# Altium PCB BSPD+SDC.PcbDoc (part 1 of 2) (continued)
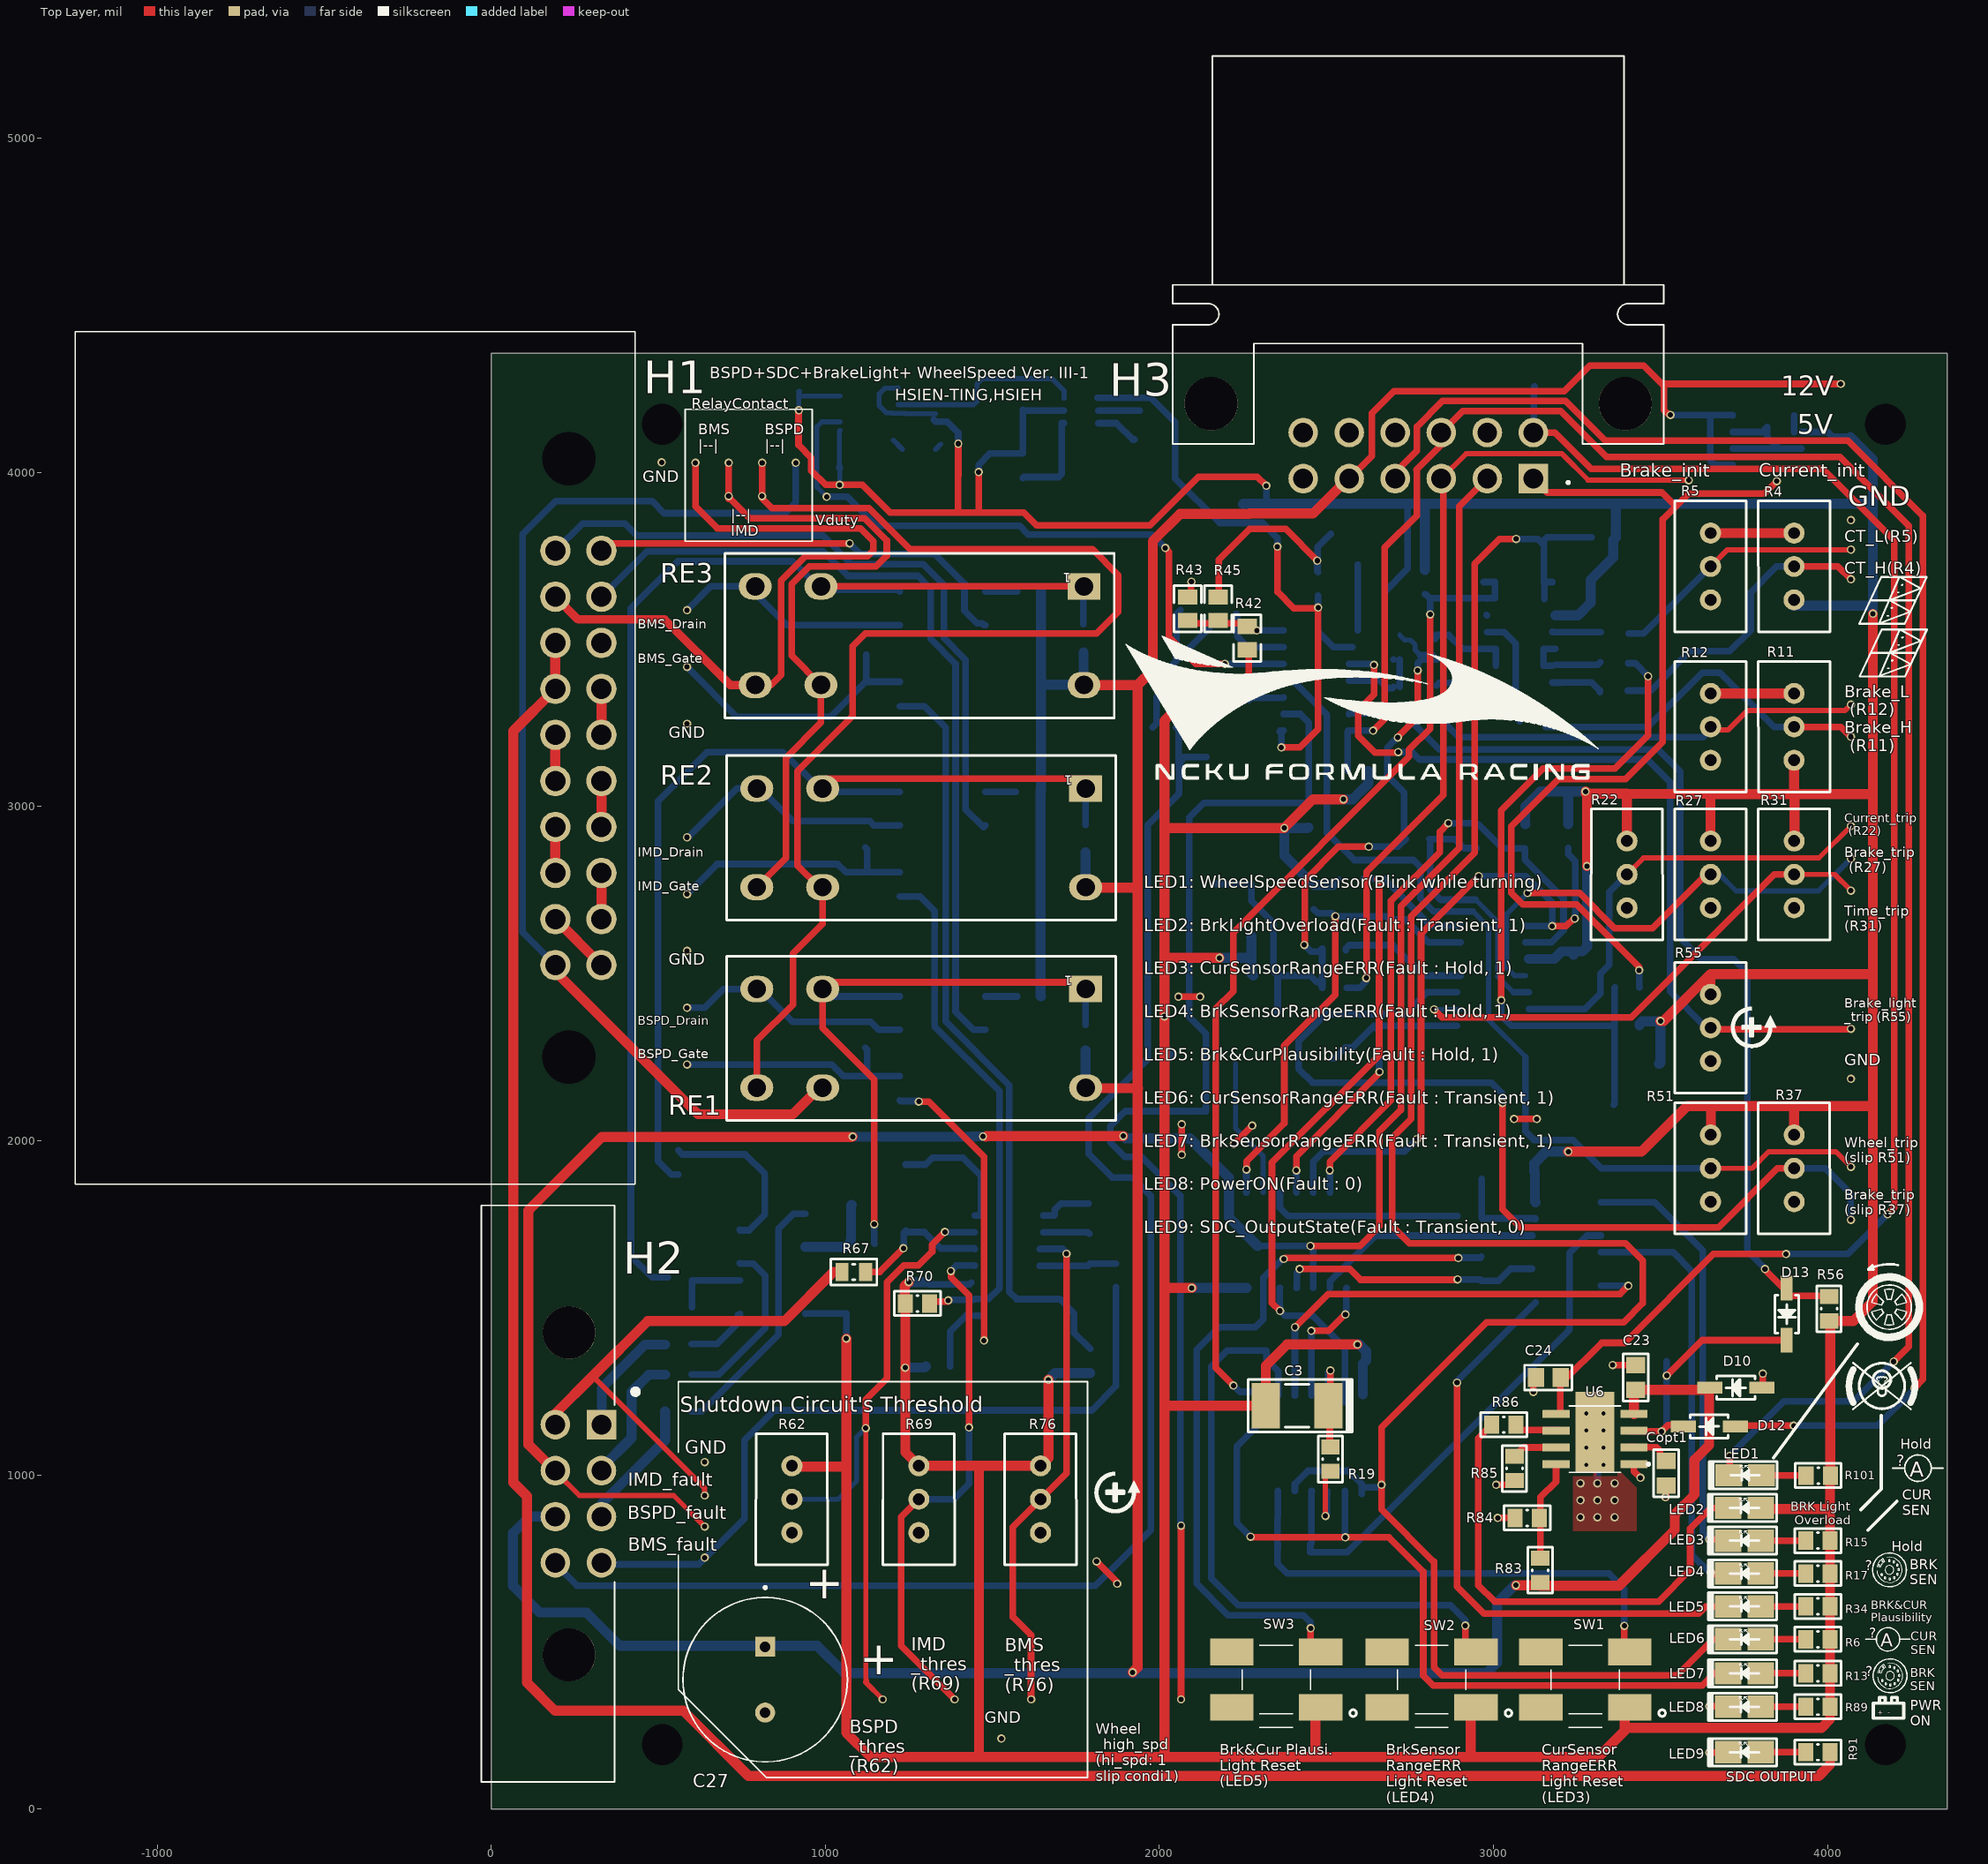
[diagram p0: Top Layer view]
## Part data (continued)
R80 R81 R82: library part RP73PF2A665RBTDF, "Res Thin Film 0805 665 Ohm 0.1% 1/8W ±25ppm/°C Molded SMD Paper T/R", Case/Package=0805, Case Code (Metric)=2012, Manufacturer="TE Connectivity", Max Operating Temperature=155°C, Min Operating Temperature=-55°C, Power Rating=250mW, Supplier Part Number 1=279-RP73PF2A665RBTDF, Temperature Coefficient=25ppm/°C, Tolerance=0.1%, Voltage Rating=150V, Case Code (Imperial)=0805, catagory=resister, ComponentLink1Description=https://datasheet.ciiva.com/46393/1635325-46393238.pdf?src-supplier=Element14, ComponentLink1URL=https://datasheet.ciiva.com/46393/1635325-46393238.pdf?src-supplier=Element14, ComponentLink2Description=https://datasheet.ciiva.com/7863/1635325-7863032.pdf?src-supplier=Element14, ComponentLink2URL=https://datasheet.ciiva.com/7863/1635325-7863032.pdf?src-supplier=Element14, ComponentLink3Description=http://datasheet.octopart.com/2176092-2-TE-Connectivity-datasheet-97102182.pdf?src-supplier=TE+Connectivity, ComponentLink3URL=http://datasheet.octopart.com/2176092-2-TE-Connectivity-datasheet-97102182.pdf?src-supplier=TE+Connectivity, ComponentLink4Description=http://datasheet.octopart.com/RP73PF2A665RBTDF-TE-Connectivity-datasheet-11516962.pdf?src-supplier=Element14, ComponentLink4URL=http://datasheet.octopart.com/RP73PF2A665RBTDF-TE-Connectivity-datasheet-11516962.pdf?src-supplier=Element14, ComponentLink5Description=http://datasheet.octopart.com/RP73PF2A665RBTDF-Tyco-Electronics-datasheet-11120217.pdf?src-supplier=Farnell, ComponentLink5URL=http://datasheet.octopart.com/RP73PF2A665RBTDF-Tyco-Electronics-datasheet-11120217.pdf?src-supplier=Farnell, Composition="Thin Film", Depth=1.25mm, Height=0.55mm, Length=2mm, Manufacturer Part Number=RP73PF2A665RBTDF, Packaging="Cut Tape", Pricing 1="1 = 0.36000, 10 = 0.33400, 100 = 0.25600, 500 = 0.22300, 1000 = 0.18400, 2000 = 0.16800 (USD)", REACH SVHC="No SVHC", Resistance=665R, Stock 1=1934, Supplier 1=Mouser, Termination=Flat, Voltage Rating (DC)=150V
RE1 RE2 RE3: "Power Relay 12VDC 8A DPST-NO( (29mm 12.7mm 15.7mm)) THT", Case/Package=DIP, Coil Current=33.3mA, Coil Power=400mW, Coil Resistance=360R, Coil Voltage (DC)=12V, Contact Current Rating=8A, Manufacturer=Omron, Max Operating Temperature=85°C, Max Voltage Rating (AC)=440V, Max Voltage Rating (DC)=300V, Min Operating Temperature=-40°C, Package Quantity=20, Supplier Part Number 1=653-G2RL-2A4-DC12, catagory=relay, Coil Type=Non-Latching, ComponentLink1Description=https://datasheet.ciiva.com/43511/en-g2rl-43511039.pdf?src-supplier=Onlinecomponents.com, ComponentLink1URL=https://datasheet.ciiva.com/43511/en-g2rl-43511039.pdf?src-supplier=Onlinecomponents.com, ComponentLink2Description=https://datasheet.ciiva.com/5236/g2rl-0911-5236343.pdf?src-supplier=Mouser, ComponentLink2URL=https://datasheet.ciiva.com/5236/g2rl-0911-5236343.pdf?src-supplier=Mouser, ComponentLink3Description=https://datasheet.ciiva.com/8687/g2rl-0911-8687997.pdf?src-supplier=Avnet, ComponentLink3URL=https://datasheet.ciiva.com/8687/g2rl-0911-8687997.pdf?src-supplier=Avnet, ComponentLink4Description=http://datasheet.octopart.com/G2RL-2A4-DC12-Omron-datasheet-10910117.pdf?src-supplier=Electro+Sonic, ComponentLink4URL=http://datasheet.octopart.com/G2RL-2A4-DC12-Omron-datasheet-10910117.pdf?src-supplier=Electro+Sonic, ComponentLink5Description=http://datasheet.octopart.com/G2RL-2A4-DC12-Omron-datasheet-16972895.pdf?src-supplier=Sager+Electronics, ComponentLink5URL=http://datasheet.octopart.com/G2RL-2A4-DC12-Omron-datasheet-16972895.pdf?src-supplier=Sager+Electronics, Contact Material=Silver, Height=15.7mm, Length=29mm, Manufacturer Part Number=G2RL-2A4-DC12, Max Current Rating=8A, Mount="Through Hole", Number of Pins=6, Operate Time=15ms, Packaging=Bulk, Power Consumption=400mW, Pricing 1="1 = 4.17000, 25 = 3.46000, 50 = 3.30000, 100 = 3.13000, 200 = 2.82000, 500 = 2.82000 (USD)", Radiation Hardening=No, Relay Type="General Purpose", Release Time=5ms, Stock 1=117, Supplier 1=Mouser, Termination="PC Pin", Throw Configuration=DPST, Weight=12g, Width=12.7mm
SW1 SW2 SW3: "Switch Tactile N.O. SPST Flush Round Button Gull Wing 0.05A 12VDC 200000Cycles 2.45N SMD T/R", Manufacturer="C&K Components", Supplier Part Number 1=CKN12219-1-ND, ComponentLink1Description=http://datasheet.octopart.com/PTS526SK08SMTR2LFS-C%26K-Components-datasheet-138817219.pdf?src-supplier=Future+Electronics, ComponentLink1URL=http://datasheet.octopart.com/PTS526SK08SMTR2LFS-C%26K-Components-datasheet-138817219.pdf?src-supplier=Future+Electronics, Manufacturer Part Number="PTS526 SK08 SMTR2 LFS", Pricing 1="1 = 0.12000, 10 = 0.11200, 25 = 0.10600, 100 = 0.09630, 250 = 0.09052, 500 = 0.08282, 1000 = 0.06934, 2500 = 0.06741 (USD)", Stock 1=4182, Supplier 1=Digi-Key
U1: "Buffer 4-CH Inverting/Non-Inverting Push-Pull CMOS 14-Pin SOIC-14 Tube", Case/Package=TSSOP, High Level Output Current=-24mA, Low Level Output Current=24mA, Manufacturer="Texas Instruments", Manufacturer Part Number=CD4041UBPW, Max Operating Temperature=125°C, Max Power Dissipation=100mW, Max Supply Voltage=18V, Min Operating Temperature=-55°C, Min Supply Voltage=3V, Package Quantity=90, Quiescent Current=20uA, Supplier Part Number 1=595-CD4041UBM96G4, Category=buffer, ComponentLink1Description=https://datasheet.ciiva.com/1506/1762971-1506275.pdf?src-supplier=Element14, ComponentLink1URL=https://datasheet.ciiva.com/1506/1762971-1506275.pdf?src-supplier=Element14, ComponentLink2Description=https://datasheet.ciiva.com/46618/1836516-46618790.pdf?src-supplier=Newark, ComponentLink2URL=https://datasheet.ciiva.com/46618/1836516-46618790.pdf?src-supplier=Newark, ComponentLink3Description=https://datasheet.ciiva.com/1842/cd4041ub-1842824.pdf?src-supplier=Digi-Key, ComponentLink3URL=https://datasheet.ciiva.com/1842/cd4041ub-1842824.pdf?src-supplier=Digi-Key, ComponentLink4Description=https://octopart.com/click/track?ai=10049&ct=datasheets&sig=04d6427&at=physicalpart&sid=370&ppid=7097409&hlid=29930956&src-supplier=TI+store, ComponentLink4URL=https://octopart.com/click/track?ai=10049&ct=datasheets&sig=04d6427&at=physicalpart&sid=370&ppid=7097409&hlid=29930956&src-supplier=TI+store, ComponentLink5Description=http://datasheet.octopart.com/CD4041UBPW-Texas-Instruments-datasheet-10255163.pdf?src-supplier=Arrow+Electronics, ComponentLink5URL=http://datasheet.octopart.com/CD4041UBPW-Texas-Instruments-datasheet-10255163.pdf?src-supplier=Arrow+Electronics, ComponentLink6Description=http://datasheet.octopart.com/CD4041UBPW-Texas-Instruments-datasheet-27908145.pdf?src-supplier=TI+store, ComponentLink6URL=http://datasheet.octopart.com/CD4041UBPW-Texas-Instruments-datasheet-27908145.pdf?src-supplier=TI+store, ComponentLink7Description=http://datasheet.octopart.com/CD4041UBPW-Texas-Instruments-datasheet-149741.pdf?src-supplier=TI+store, ComponentLink7URL=http://datasheet.octopart.com/CD4041UBPW-Texas-Instruments-datasheet-149741.pdf?src-supplier=TI+store, ComponentLink8Description=http://datasheet.octopart.com/CD4041UBPW-Texas-Instruments-datasheet-10253518.pdf?src-supplier=TI+store, ComponentLink8URL=http://datasheet.octopart.com/CD4041UBPW-Texas-Instruments-datasheet-10253518.pdf?src-supplier=TI+store, ComponentLink9Description=http://sigma.octopart.com/49249819/technical_drawing/Texas-Instruments-CD4041UBPW.pdf?src-supplier=TI+store, ComponentLink9URL=http://sigma.octopart.com/49249819/technical_drawing/Texas-Instruments-CD4041UBPW.pdf?src-supplier=TI+store, ComponentLink10Description=http://datasheet.octopart.com/CD4041UBPW-Texas-Instruments-datasheet-8377696.pdf?src-supplier=Newark, ComponentLink10URL=http://datasheet.octopart.com/CD4041UBPW-Texas-Instruments-datasheet-8377696.pdf?src-supplier=Newark, ComponentLink11Description=http://datasheet.octopart.com/CD4041UBPW-Texas-Instruments-datasheet-654559.pdf?src-supplier=Newark, ComponentLink11URL=http://datasheet.octopart.com/CD4041UBPW-Texas-Instruments-datasheet-654559.pdf?src-supplier=Newark, ComponentLink12Description=http://datasheet.octopart.com/CD4041UBPW-Texas-Instruments-datasheet-8816533.pdf?src-supplier=Newark, ComponentLink12URL=http://datasheet.octopart.com/CD4041UBPW-Texas-Instruments-datasheet-8816533.pdf?src-supplier=Newark, ComponentLink13Description=http://datasheet.octopart.com/CD4041UBPW-Texas-Instruments-datasheet-11538150.pdf?src-supplier=Element14, ComponentLink13URL=http://datasheet.octopart.com/CD4041UBPW-Texas-Instruments-datasheet-11538150.pdf?src-supplier=Element14, ComponentLink14Description=http://datasheet.octopart.com/CD4041UBPW-Texas-Instruments-datasheet-21076600.pdf?src-supplier=Element14, ComponentLink14URL=http://datasheet.octopart.com/CD4041UBPW-Texas-Instruments-datasheet-21076600.pdf?src-supplier=Element14, ComponentLink15Description=http://datasheet.octopart.com/CD4041UBPW-Texas-Instruments-datasheet-47642687.pdf?src-supplier=Newark, ComponentLink15URL=http://datasheet.octopart.com/CD4041UBPW-Texas-Instruments-datasheet-47642687.pdf?src-supplier=Newark, ComponentLink16Description=http://datasheet.octopart.com/CD4041UBPW-Texas-Instruments-datasheet-102487265.pdf?src-supplier=Newark, ComponentLink16URL=http://datasheet.octopart.com/CD4041UBPW-Texas-Instruments-datasheet-102487265.pdf?src-supplier=Newark, Contact Plating=Gold, Lead Free="Lead Free", Logic Function=Buffer, Mount="Surface Mount", Number of Bits=4, Number of Bits per Element=1, Number of Channels=4, Number of Elements=4, Number of Input Lines=4, Number of Inputs=4, Number of Output Lines=8, Number of Outputs=4, Number of Pins=14, Packaging=Rail/Tube, Polarity=Non-Inverting, Propagation Delay=50ns, REACH SVHC="No SVHC", Supplier 1=Mouser, Termination=SMD/SMT, Turn-On Delay Time=120ns
U2: "Monostable Multivibrator Single-Element 0°C 70°C Automotive 6-Pin TSOT-23 T/R", Case/Package=SOT-23-6, High Level Output Current=-16mA, Low Level Output Current=16mA, Manufacturer="Analog Devices / Linear Technology", Max Operating Temperature=70°C, Max Supply Voltage=5.5V, Min Operating Temperature=0°C, Min Supply Voltage=2.25V, Package Quantity=1, Supplier Part Number 1=584-C6993CS6-2TRMPBF, ComponentLink1Description=https://datasheet.ciiva.com/1885/29726-1885040.pdf?src-supplier=Digi-Key, ComponentLink1URL=https://datasheet.ciiva.com/1885/29726-1885040.pdf?src-supplier=Digi-Key, ComponentLink2Description=https://datasheet.ciiva.com/15095/getdatasheetpartid-365076-15095264.pdf?src-supplier=Verical, ComponentLink2URL=https://datasheet.ciiva.com/15095/getdatasheetpartid-365076-15095264.pdf?src-supplier=Verical, ComponentLink3Description=https://datasheet.ciiva.com/1885/29726-1885041.pdf?src-supplier=Digi-Key, ComponentLink3URL=https://datasheet.ciiva.com/1885/29726-1885041.pdf?src-supplier=Digi-Key, ComponentLink4Description=https://datasheet.ciiva.com/28646/1642036-28646037.pdf?src-supplier=Element14, ComponentLink4URL=https://datasheet.ciiva.com/28646/1642036-28646037.pdf?src-supplier=Element14, ComponentLink5Description=https://datasheet.ciiva.com/1142/1441932-1142200.pdf?src-supplier=Farnell, ComponentLink5URL=https://datasheet.ciiva.com/1142/1441932-1142200.pdf?src-supplier=Farnell, ComponentLink6Description=https://datasheet.ciiva.com/1142/1441932-1142201.pdf?src-supplier=Farnell, ComponentLink6URL=https://datasheet.ciiva.com/1142/1441932-1142201.pdf?src-supplier=Farnell, ComponentLink7Description=https://datasheet.ciiva.com/1139/1642036-1139629.pdf?src-supplier=Element14, ComponentLink7URL=https://datasheet.ciiva.com/1139/1642036-1139629.pdf?src-supplier=Element14, ComponentLink8Description=https://datasheet.ciiva.com/31419/1642036-31419357.pdf?src-supplier=Farnell, ComponentLink8URL=https://datasheet.ciiva.com/31419/1642036-31419357.pdf?src-supplier=Farnell, ComponentLink9Description=https://datasheet.ciiva.com/1885/29726-1885039.pdf?src-supplier=Digi-Key, ComponentLink9URL=https://datasheet.ciiva.com/1885/29726-1885039.pdf?src-supplier=Digi-Key, ComponentLink10Description=http://datasheet.octopart.com/LTC6993CS6-2%23TRMPBF-Linear-Technology-datasheet-10978048.pdf?src-supplier=TME, ComponentLink10URL=http://datasheet.octopart.com/LTC6993CS6-2%23TRMPBF-Linear-Technology-datasheet-10978048.pdf?src-supplier=TME, ComponentLink11Description=http://datasheet.octopart.com/LTC6993CS6-2%23TRMPBF-Linear-Technology-datasheet-58871654.pdf?src-supplier=Farnell, ComponentLink11URL=http://datasheet.octopart.com/LTC6993CS6-2%23TRMPBF-Linear-Technology-datasheet-58871654.pdf?src-supplier=Farnell, ComponentLink12Description=http://datasheet.octopart.com/LTC6993CS6-2%23TRMPBF-Linear-Technology-datasheet-10027958.pdf?src-supplier=Element14, ComponentLink12URL=http://datasheet.octopart.com/LTC6993CS6-2%23TRMPBF-Linear-Technology-datasheet-10027958.pdf?src-supplier=Element14, ComponentLink13Description=http://datasheet.octopart.com/LTC6993CS6-2%23TRMPBF-Linear-Technology-datasheet-10653347.pdf?src-supplier=Arrow+Electronics, ComponentLink13URL=http://datasheet.octopart.com/LTC6993CS6-2%23TRMPBF-Linear-Technology-datasheet-10653347.pdf?src-supplier=Arrow+Electronics, ComponentLink14Description=http://datasheet.octopart.com/LTC6993CS6-2%23TRMPBF-Linear-Technology-datasheet-10379881.pdf?src-supplier=Farnell, ComponentLink14URL=http://datasheet.octopart.com/LTC6993CS6-2%23TRMPBF-Linear-Technology-datasheet-10379881.pdf?src-supplier=Farnell, ComponentLink15Description=http://sigma.octopart.com/57691988/technical_drawing/Linear-Technology-LTC6993CS6-2%23TRMPBF.pdf?src-supplier=Linear+Technology, ComponentLink15URL=http://sigma.octopart.com/57691988/technical_drawing/Linear-Technology-LTC6993CS6-2%23TRMPBF.pdf?src-supplier=Linear+Technology, Independent Circuits=1, Logic Function=Multivibrator, Manufacturer Part Number=LTC6993CS6-2#TRMPBF, Number of Elements=1, Number of Pins=6, Number of Timers/Counters=1, Packaging="Tape and Reel", Pricing 1="1 = 3.53000, 10 = 3.17000, 50 = 2.66000, 100 = 2.27000, 1000 = 1.77000, 10000 = 1.75000 (USD)", Propagation Delay=11ns, Radiation Hardening=No, REACH SVHC="No SVHC", RoHS Compliant=Yes, Schmitt Trigger Input=No, Series=LTCR6993, Stock 1=27266, Supplier 1=Mouser, Turn-On Delay Time=28ns
U3: "Digital To Analog Converter Dac, Dual, 12 Bit, Msop-12", Case/Package=MSOP, Manufacturer="Analog Devices", Max Operating Temperature=70°C, Min Operating Temperature=0°C, Supplier Part Number 1=584-C2644CMS-L12PBF, ComponentLink1Description=http://www.farnell.com/datasheets/2265704.pdf?src-supplier=Farnell, ComponentLink1URL=http://www.farnell.com/datasheets/2265704.pdf?src-supplier=Farnell, ComponentLink2Description=http://www.linear.com/docs/45234?src-supplier=Digi-Key, ComponentLink2URL=http://www.linear.com/docs/45234?src-supplier=Digi-Key, ComponentLink3Description=http://datasheet.octopart.com/LTC2644CMS-L12%23PBF-Linear-Technology-datasheet-32866045.pdf?src-supplier=Linear+Technology, ComponentLink3URL=http://datasheet.octopart.com/LTC2644CMS-L12%23PBF-Linear-Technology-datasheet-32866045.pdf?src-supplier=Linear+Technology, ComponentLink4Description=http://datasheet.octopart.com/LTC2644CMS-L12%23PBF-Linear-Technology-datasheet-81453756.pdf?src-supplier=Newark, ComponentLink4URL=http://datasheet.octopart.com/LTC2644CMS-L12%23PBF-Linear-Technology-datasheet-81453756.pdf?src-supplier=Newark, ComponentLink5Description=http://sigma.octopart.com/57695431/technical_drawing/Linear-Technology-LTC2644CMS-L12%23PBF.pdf?src-supplier=Linear+Technology, ComponentLink5URL=http://sigma.octopart.com/57695431/technical_drawing/Linear-Technology-LTC2644CMS-L12%23PBF.pdf?src-supplier=Linear+Technology, Differential Output=No, Interface=PWM, Manufacturer Part Number=LTC2644CMS-L12#PBF, Number of Bits=12, Number of D/A Converters=2, Number of Pins=12, Packaging=Rail/Tube, Pricing 1="1 = 6.21000, 10 = 5.61000, 50 = 4.90000, 100 = 4.20000, 1000 = 3.47000, 10000 = 3.47000 (USD)", REACH SVHC="No SVHC", Resolution=12b, Sampling Rate=6.25KS/s, Settling Time=7.8us, Stock 1=642, Supplier 1=Mouser
U4: "Buffer 4-CH Inverting/Non-Inverting Push-Pull CMOS 14-Pin SOIC-14 Tube"
U5: "Linear Voltage Regulator IC 1 Output 500mA 8-SOIC-EP", Package="SOIC-8 Analog Devices", Arrow_Electronics-Purchase-URL=https://snapeda.com/shop?store=Arrow+Electronics&id=447566, Availability=Unavailable, MF="Analog Devices", MP=ADP7104ARDZ-5.0-R7, Price=None, SnapEDA_Link=https://www.snapeda.com/parts/ADP7104ARDZ-5.0-R7/Analog%20Devices%20Inc./view-part/447566/?ref=snap
U6: "2.7V to 19 V 0.125A to 2A 89mOhm eFuse with Accurate Current Monitor and Fast Overvoltage Protection 8-Pin SOIC...", Manufacturer="Texas Instruments", Supplier Part Number 1=595-TPS259631DDAR, ComponentLink1Description=https://octopart.com/click/track?ai=10049&ct=datasheets&sig=07573b3&at=physicalpart&sid=370&ppid=103943074&hlid=30203718&src-supplier=TI+store, ComponentLink1URL=https://octopart.com/click/track?ai=10049&ct=datasheets&sig=07573b3&at=physicalpart&sid=370&ppid=103943074&hlid=30203718&src-supplier=TI+store, ComponentLink2Description=http://sigma.octopart.com/104526336/technical_drawing/Texas-Instruments-TPS259631DDAR.pdf?src-supplier=TI+store, ComponentLink2URL=http://sigma.octopart.com/104526336/technical_drawing/Texas-Instruments-TPS259631DDAR.pdf?src-supplier=TI+store, ComponentLink3Description=http://datasheet.octopart.com/TPS259631DDAR-Texas-Instruments-datasheet-149164929.pdf?src-supplier=Upverter, ComponentLink3URL=http://datasheet.octopart.com/TPS259631DDAR-Texas-Instruments-datasheet-149164929.pdf?src-supplier=Upverter, Manufacturer Part Number=TPS259631DDAR, Pricing 1="1 = 0.86000, 10 = 0.78200, 50 = 0.78200, 100 = 0.57000, 1000 = 0.37100, 10000 = 0.33700 (USD)", Stock 1=3910, Supplier 1=Mouser

## Free pads (board coordinates)
  round 60 hole 122.05: 0(511.81,192.83) 0(511.81,4144.01) 0(4173.23,192.83) 0(4173.23,4144.01)

## Via types
v1: diameter 25, hole 16, Top Layer to Bottom Layer, tented both sides, 135 vias
v2: diameter 25, hole 16, Top Layer to Bottom Layer, tented bottom, 38 vias

## Nets (pads, with @x,y where several pads share a name; then routed paths per layer and width w, separated by ;. In a path a pad name is that pad's centre, name@x,y a point inside that pad or via, vN(x,y) a via of type N, cw(c..) or ccw(c..) an arc to the next point about the centre after c; other vN are vias at no path point)
5V: C1.2 C2.2 C3.1 C5.2 C6.2 C9.2 C10.2 C12.2 C13.2 C14.2 C17.2 C20.2 C25.2 C26.2 C89.1 D1.1 D3.1 D5.1 IC1.14 IC2.14 LED2.2 OP1.3 OP2.3 OP3.3 OP4.3 R4.1 R6.2 R7.2 R11.1 R13.2 R14.2 R15.2 R17.2 R21.2 R22.1 R23.2 R25.2 R27.1 R29.2 R31.1 R32.2 R34.2 R37.1 R38.2 R42.2 R44.2 R49.2 R51.1 R55.1 R56.1 R57.2 R62.1 R63.2 R69.1 R70.2 R76.1 R77.2 R89.2 R93.2 R94.2 R101.2 SW1.1 SW2.1 SW3.1 U1.14 U2.5 U3.1 U3.5 U3.7 U3.10 U4.14 U5.1 U5.2 | length 29403
  Top Layer w15: 2015,2450 2020.89,2455.89
  Top Layer w20: v1@920,4186 920,4082 958,4044 958,4006 1001,3963 v1(1043,3963) 1110.71,3963 1193.71,3880 1455,3880 ; 1396.89,3886.01 v1@1398,4088 ; v1(1459,4001) 1459,3884 1455,3880 ; 1593.78,3880 1455,3880 ; 1594,3880 1632,3842 1972,3842 2117,3987 2293,3987 v1(2320,3960) ; 2015,1702 2020,1697 ; 2015,3077 2016.25,3075.75 ; v1(2188,3331.13) 2188,3328 2210.96,3328 2267.4,3384.44 2267.4,3464.56 R42.2@2263,3468.96
  Top Layer w30: R62.1@900,1027 902,1025 1063,1025 ; v1(1062.99,1407.94) 1063,1025 ; v1(1239,1321) v1@1239.58,1321 ; R70.2@1239.58,1510.98 v1@1239.58,1321 ; R70.2@1239.58,1513 1237.56,1513 1237.56,1564.62 v1(1250,1577.06) ; 1460,162 1460,1027 ; v1(1667.84,1284.57) 1667.84,1050.55 R76.1@1644.29,1027 1460,1027 ; 2015,160 2015,1207 ; v1(2097,1559.16) 2021.16,1559.16 2015,1553 ; v1(2180,2547) 2021,2547 2015,2541 ; v1@2188,3328 2086,3328 2015,3257 2015,3077 2015,2936 ; C3.1@2311,1207 2015,1207 ; C3.1@2313.5,1202 C3.1@2318.5,1207 2318.5,1326.5 2382,1390 v1(2593,1390) ; SW3.1@2468.11,314.17 2467,313.06 2467,156 ; v1(2551,3022) 2460,3022 v1(2374,2936) 2015,2936 ; SW2.1@2933.11,314.17 2932,313.06 2932,156 ; v1(3224,1967.43) 3443.43,1967.43 3579.83,2103.83 3651,2103.83 3892,2103.83 ; v1(3276,3045) 3276,3040 v1@3277,3039 ; v1(3280,2822) 3280,3036 v1@3277,3039 ; SW1.1@3393.11,314.17 3393.11,243 ; R22.1@3400,2897 3400,3038 3650,3038 ; 3400,3039 v1@3277,3039 ; v1(3500,2358) 3509,2358 3650,2499 ; R51.1@3650,2017.4 3650,2017.9 3651,2018.9 3651,2097 ; R55.1@3650,2438 3650,2499 ; R27.1@3650,2897 3650,3037 3900,3037 4136,3037 4136,2499 ; LED2.2@3802.68,901 3803.38,901 3806.26,898.13 4007.76,898.13 ; 3900,3030 3900,3045.97 R11.1@3900,3138.69 ; R37.1@3900.19,2017.4 3900.19,2095.64 3892,2103.83 ; R31.1@3900.19,2897 3900.19,2909.02 3901.19,2910.02 3901.19,3030 3901.19,3045.97 ; R56.1@4004.82,1460.65 4077.65,1460.65 4136,1519 4136,2097 4136,2499 ; R56.1@4008.76,1460.65 R101.2@4008.76,998 4007.76,997 4007.76,898.13 ; 4136,2103.83 3892,2103.83 ; 4136,3047 v1(4136,3577) ; 1063,1025 1063,228 1135,156 1460,156 2015,156 2467,156 ; v1@1239.58,1321 1239.58,1067.42 R69.1@1280,1027 1460,1027 ; 2015,1207 2015,1377 ; 2015,1207 2015,1377 ; 2015,1377 2015,1553 ; 2015,1553 2015,1702 v1(2015,2372) 2015,2450 2015,2541 ; 2015,2541 2015,2936 ; 2467,156 2932,156 ; 2932,156 3314.94,156 3393.11,234.17 3393.11,243 ; 3393.11,243 3982.34,243 4007.76,268.42 R89.2@4007.76,306 R13.2@4007.76,406 R6.2@4007.76,507.85 R34.2@4007.76,606.28 R17.2@4007.76,704.7 R15.2@4007.76,803.13 4007.76,898.13 ; 3650,2499 4136,2499
  Bottom Layer w15: C14.2@919,4228.39 U3.5@1043.91,4228.39 ; C14.2@920.01,4241 922.01,4243 923.01,4242 921,4239.99 v1(921,4186) ; C12.2@1041.99,4017 1041.99,4124.67 1043.35,4126.02 U3.1@1043.91,4126.02 ; v1(1043,3963) C12.2@1043,4012.06 ; U3.7@1218.09,4253.98 1216.73,4252.62 1178.69,4252.62 1161.34,4235.27 1161.34,4199.7 1182.48,4178.56 1197.54,4178.56 1198.89,4177.2 1237.28,4177.2 1238.64,4175.85 C13.2@1330,4175.85 ; R32.2@2520.27,2764.92 R32.2@2538.76,2783.4
  Bottom Layer w20: U4.14@939.91,1481.93 940.95,1482.97 1062.99,1482.97 v1(1062.99,1407.94) ; C12.2@1041.99,4017 1041.99,4013.06 C12.2@1043,4012.06 ; C25.2@1297.58,1574.01 C25.2@1306,1574.01 ; C25.2@1307.07,1577.06 1307.07,1575.08 C25.2@1306,1574.01 ; C13.2@1325.06,4158.01 1330.69,4152.38 1364.62,4152.38 1398,4119 v1(1398,4086) ; OP4.3@1437.46,1575.86 1431.56,1569.95 1310.05,1569.95 C25.2@1306,1574.01 ; v1(1459,4001) 1459,4022.79 1492.63,4056.42 R49.2@1591,4056.42 C10.2@1591.01,4187 1593.22,4184.79 U2.5@1714.26,4184.79 ; C9.2@2267.6,3318.13 2274.65,3325.19 2370.75,3325.19 OP3.3@2372.56,3327 ; 2320,3917.33 v1(2320,3960) ; R57.2@2675.28,3644.13 2743,3711.85 2743,3906.5 ; U5.2@3900,4120 U5.1@3900,4170 ; U5.2@3923,4121 4001.39,4121 4015.98,4106.4 C17.2@4045,4106.4 C17.2@4068.6,4106.4
  Bottom Layer w30: v1(1239,1321) 1297.58,1321 R63.2@1300.58,1324 ; v1(1250,1577.06) C25.2@1307.07,1577.06 ; v1(1667.84,1284.57) 1687.85,1304.58 R77.2@1793,1304.58 ; v1(2015,2372) 2015,2276.5 C89.1@2035.5,2256 ; v1@2098.5,1559.16 IC2.14@2260.79,1559.16 ; v1(2180,2547) 2275.89,2547 ; v1(2188,3331.13) 2189.51,3329.61 2240.39,3329.61 C9.2@2250,3320.01 ; R44.2@2250.39,3905 2251.89,3906.5 2708,3906.5 ; D3.1@2276,2612.03 2275.89,2611.91 2275.89,2547 ; R25.2@2281.58,2494 2275.89,2499.69 2275.89,2547 ; R93.2@2445.6,2937.71 2443.89,2936 v1(2374,2936) 2374,2853.83 2462.92,2764.92 R32.2@2520.27,2764.92 ; v1(2551,3022) 2579,3022 2625.42,3068.42 R94.2@2625.42,3106 ; v1(2593,1390) 2599,1390 2618.99,1370.01 C2.2@2618.99,1343 2608.92,1332.93 IC1.14@2608.92,1240.97 ; 2708.5,3906.5 2743,3906.5 2795,3906.5 ; R14.2@2795,3708.42 2795,3906.5 ; R29.2@3095.5,2947.92 R29.2@3095,2947.42 3095,3000 3140,3045 v1(3276,3045) ; OP2.3@3106,2544 3181.65,2544 3204.15,2566.51 3266.51,2566.51 3280.81,2580.81 3280.81,2821.19 v1(3280,2822) ; U1.14@3126.56,1816 3124.28,1818.28 3124.28,1906.32 C6.2@3121.99,1908.61 3121.99,1931.6 3157.83,1967.43 v1(3224,1967.43) ; OP1.3@3185.92,3572.03 3252.96,3572.03 3290.99,3610.06 C1.2@3290.99,3614 3290.99,3677.94 3358.75,3745.69 3358.75,3798.36 R7.2@3366.39,3806 3366.39,3906.5 ; R23.2@3223.5,2947.92 R23.2@3224,2948.42 3224,3041 ; C26.2@3240,2557.01 C26.2@3240.56,2557.01 ; R21.2@3437.17,2345 3437.17,2349.92 3444.81,2357.56 3499.56,2357.56 v1(3500,2358) 3500,2233.12 3497.28,2230.4 D1.1@3495.31,2230.4 ; R4.1@3896,3601.69 4128,3601.69 ; C17.2@4068.6,4106.4 4136,4039 v1(4136,3577) ; 4135,3906.5 3366.39,3906.5 ; 2795,3906.5 3366.39,3906.5
  Bottom Layer w30.24: D5.1@2162.31,3331.13 v1(2188,3331.13)
12V: C11.2 C16.2 C23.2 C27.1 D7.1 D8.1 D9.1 D10.1 H2.7 H3.5 R59.2 R66.2 R73.2 R83.2 RE1.8 RE2.8 RE3.8 U5.5 U5.8 U6.4 | length 13377.7
  Top Layer w20: H3.5@2568.31,3981.59 2635.72,4049 2635.72,4177.72 2701.68,4243.68 3212.32,4243.68 3288.65,4320 3450,4320 3511,4259 ; v1@3523.5,4174.5 3511,4187 3511,4259 ; v1(4040,4265) 3511,4265 3511,4259
  Top Layer w30: RE3.8@1774.34,3363.82 1935,3363.82 ; RE2.8@1779.34,2758.82 1781.16,2757 1935,2757 ; RE1.8@1789.18,2158.82 RE1.8@1779.34,2158.82 1781.16,2157 1936,2157 ; v1(1920,409) 1935,424 1935,2157 1935,2757 ; H3.5@2567,3980.28 H3.5@2568.31,3981.59 ; H3.5@2574.18,3975.71 2558.71,3975.71 2459.96,3876.96 2270.46,3876.96 2269.5,3876 2061.97,3876 1980.5,3794.53 1980.5,3409.32 1935,3363.82 ; v1@3067.42,669 R83.2@3140,669 ; R83.2@3140,668 3375.76,668 3543,835.24 3543,882 3602,941 3602,1045 3646,1089 3646,1259 D10.1@3648,1261 3641.5,1254.5 C23.2@3426,1254.5 3420.24,1248.74 U6.4@3420.24,1182 ; 1935,2757 1935,3363.82
  Bottom Layer w20: D9.1@1771.94,3462.76 D9.1@1773.14,3461.56 ; D7.1@1778.94,2270.76 D7.1@1779.14,2270.56 ; v1(3530,4172) 3649,4172 ; U5.5@3717,4021 3716,4022 3663,4022 3649,4036 3649,4172 ; U5.8@3717,4171 3716,4172 3649,4172
  Bottom Layer w30: H2.7@192,875 114,875 65,826 65,668 145,588 285,588 385,488 976,488 1057,407 2980,407 3011,438 3011,617 v1@3064,670 ; R66.2@1644.29,3047 1644.29,2433.05 R59.2@1645.43,2431.91 ; R66.2@1645.43,3045.86 R73.2@1645.43,3643.09 ; 1659.62,3365.02 RE3.8@1773.14,3365.02 ; D9.1@1773.14,3461.56 RE3.8@1773.14,3365.02 ; RE3.8@1774.34,3363.82 RE3.8@1773.14,3365.02 ; RE1.8@1779.14,2159.02 D7.1@1779.14,2270.56 ; D8.1@1779.34,2862.76 RE2.8@1779.34,2758.82 RE2.8@1803.82,2758.82
  other v1: 3067.42,669.56
AGND: C12.1 C13.1 C14.1 R92.1 U3.4 U3.6 U3.11 U3.12 | length 62.1
  Bottom Layer w15: 1203.09,4096.91 1231,4069 ; C13.1@1330,4069 C13.1@1346,4085
brake_HL: OP1.11 R8.2 | length 336.5
  Bottom Layer w20: OP1.11@2981.04,3522.03 3032.41,3522.03 3066.59,3487.84 3066.59,3267.99 R8.2@3078.58,3256
brake_HLb: R8.1 R11.2 | length 1061.3
  Top Layer w20: R11.2@3900,3238.69 4039.58,3238.69 4068.87,3209.4 v2@4068.87,3207.87
  Bottom Layer w20: R8.1@3156,3238 3462,3238 3625,3401 3678,3401 3840.31,3238.69 R11.2@3900,3238.69
  other v2: 4070,3209
brake_init: H3.3 R24.1 | length 2479
  Top Layer w15.75: H3.3@2843.9,3981.59 2918.31,4056 3205,4056 3284,3977 ; 3282,3977 v2(3585,3977)
  Top Layer w20: v1@2620,2483.6 2620,2805 2850,3035 2850,3975.49 H3.3@2843.9,3981.59
  Bottom Layer w20: R24.1@2560.42,2458 2600,2458 2619.21,2477.21 v1(2619.21,2487)
brake_LL: OP1.8 R10.2 | length 182
  Bottom Layer w20: R10.2@2829.9,3362.51 2837.61,3370.22 2979.22,3370.22 2981.04,3372.03 OP1.8@2954.07,3372.03
brake_LLb: R10.1 R12.2 | length 1320.3
  Top Layer w15.75: R12.2@3658.8,3229.89 3702.89,3229.89 3761.06,3288.06 4053.06,3288.06 v2(4070,3305)
  Bottom Layer w20: R10.1@2815,3289.68 2896.68,3208 3628,3208 R12.2@3650,3230
brake_min: OP2.4 R27.2 | length 1427.1
  Top Layer w20: v1(3102,2741) 3258,2741 3363,2636 3476,2636 3637,2797 R27.2@3650,2797
  Bottom Layer w15: 3039.57,2517.77 3039.57,2678.57
  Bottom Layer w15.75: 3039.57,2517.77 3063.34,2494 OP2.4@3096,2494 ; 3039.57,2678.57 v1(3102,2741) ; R27.2@3677.11,2797 3726.48,2747.63 3973,2747.63 v2(4070,2844.63)
brake_std: OP1.9 OP1.10 R9.2 | length 259.5
  Bottom Layer w20: R9.2@2814.9,3513.42 R9.2@2825.68,3502.64 ; R9.2@2829.9,3513.42 2866.58,3513.42 2907.97,3472.03 3007.04,3472.23 OP1.9@3007.04,3422.23